# KiCad board hellen88m42bmw.kicad_pcb (continued)
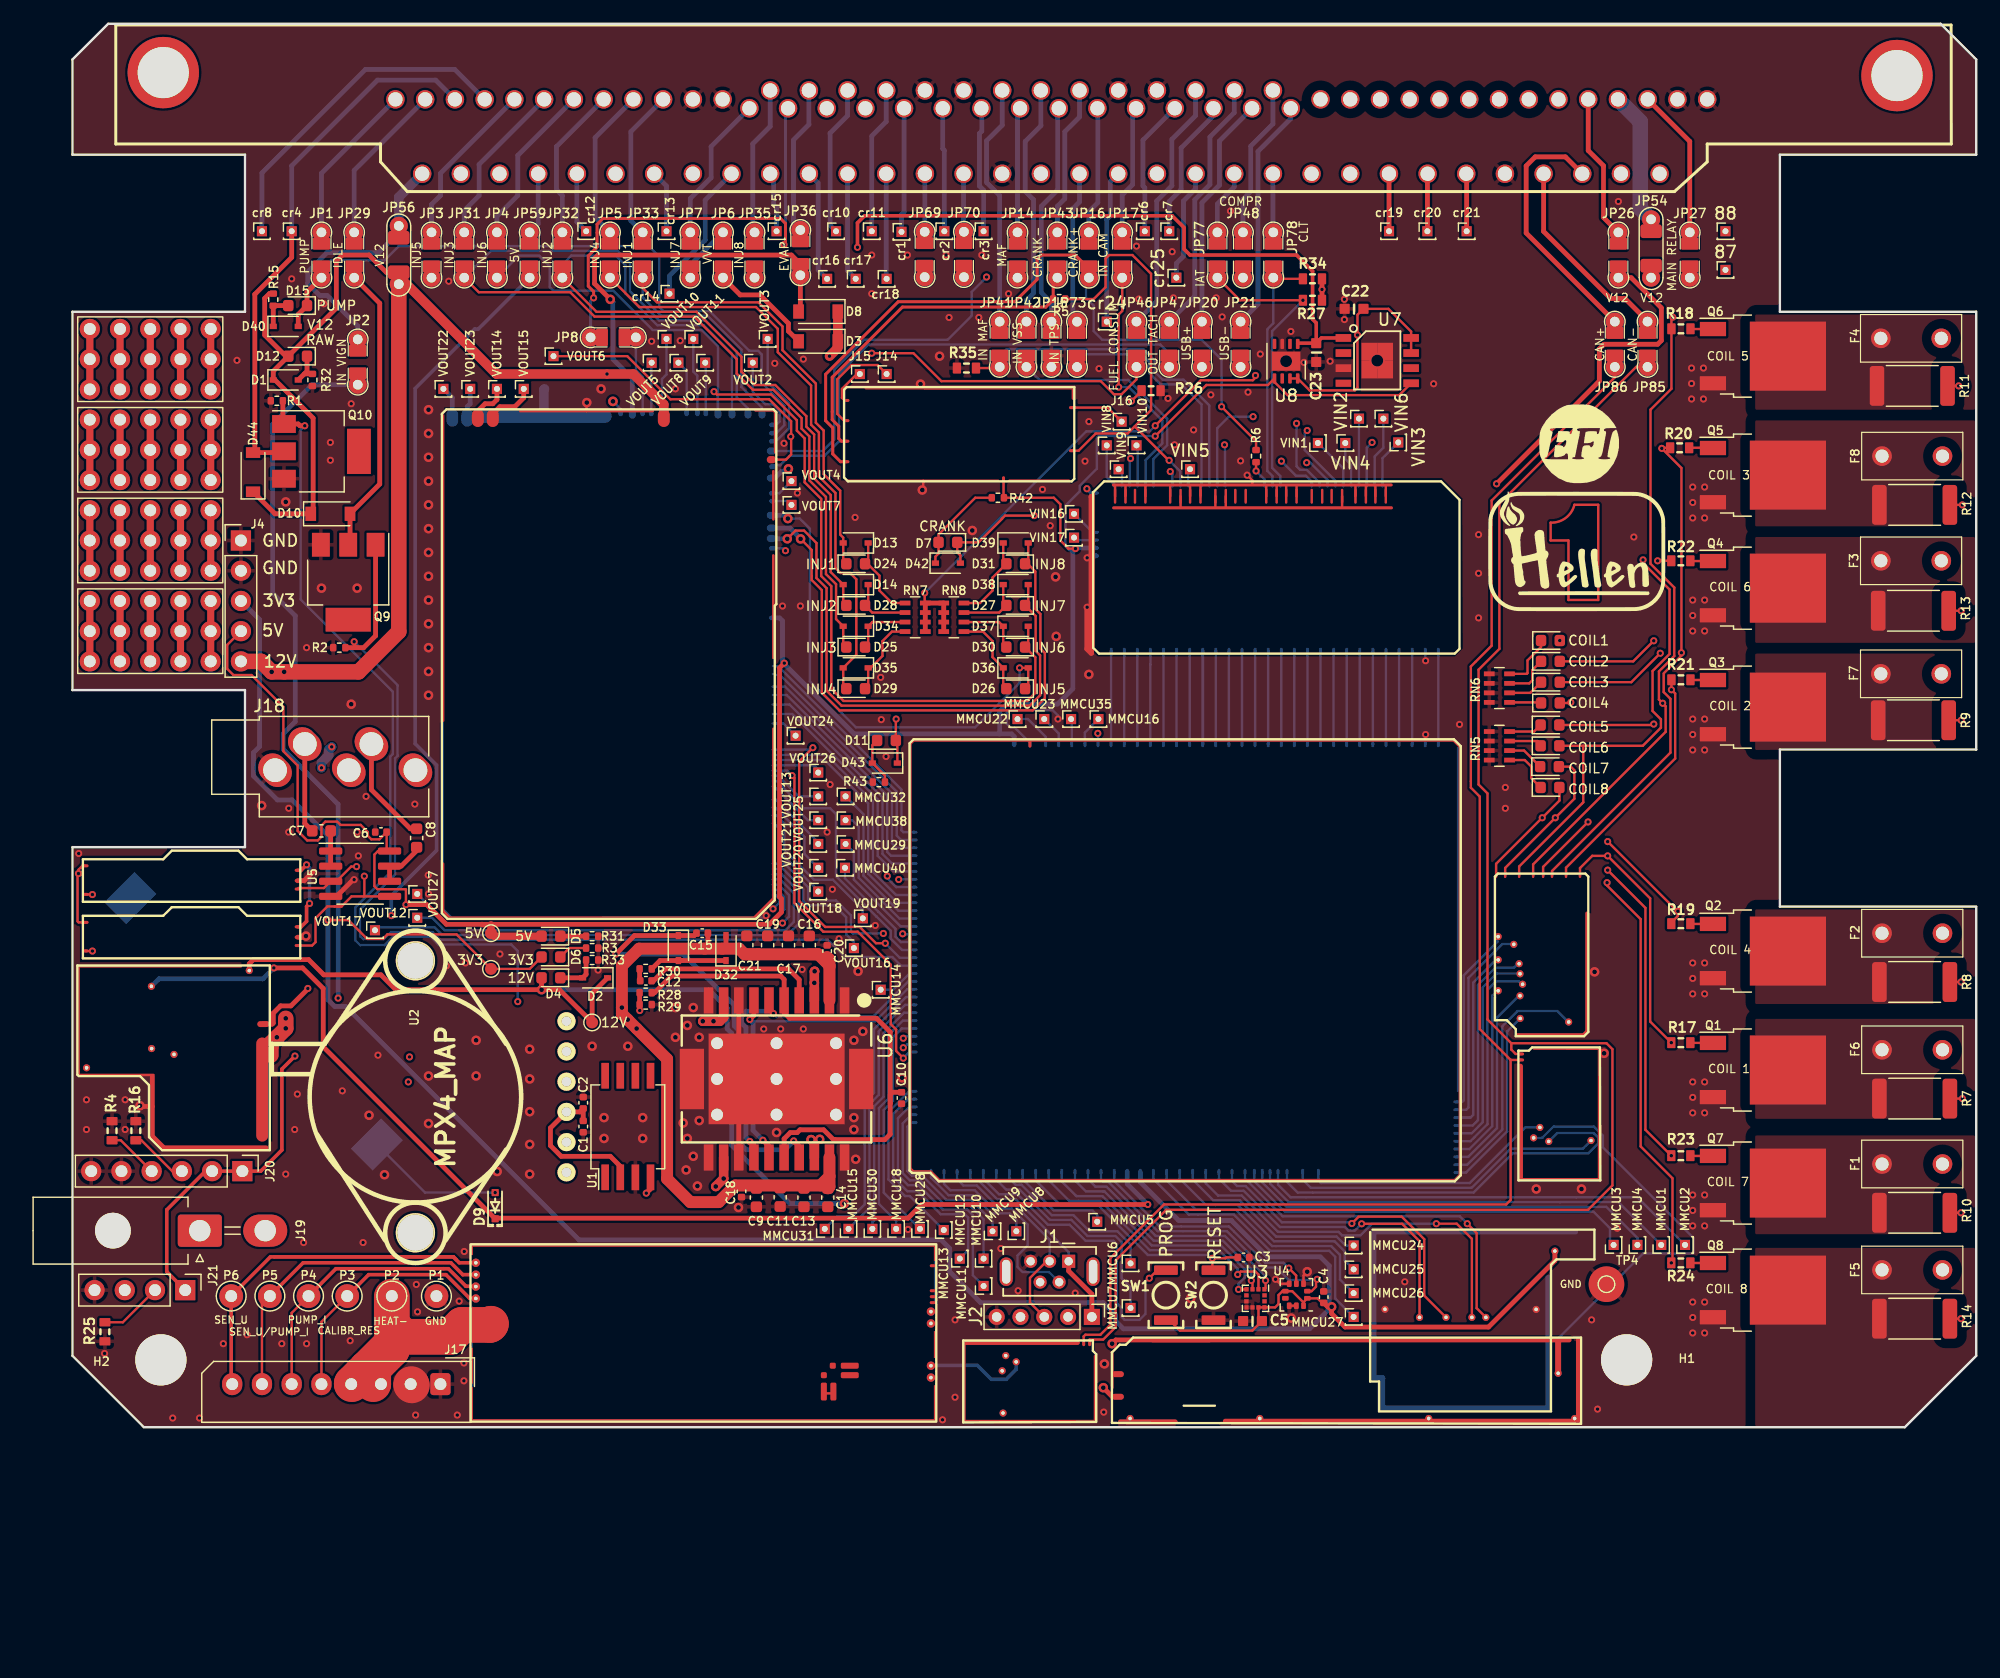
[diagram p0: board, top side]
## Routing (per net, layer and track width the routed paths; a pad name or vN(x,y) marks a point on that pad's centre or on a via; arc(x,y) is an arc through that point) (continued)
/LSU_SENSOR_U/PUMP_I: length 26.6
  Top w0.2: J17.7 15.93,10.36 P5.1
  Top w0.3: 33.93,12.67 33.78,12.82 32.8,12.82 31.8,13.82 19.39,13.82 P5.1
/MAF: length 7.9
  Bottom w0.2: 100.49,57.4 100.49,65.27
/MAIN_RELAY: length 21.4
  In2.Cu w0.2: v1(69.83,32.7) 69.64,32.7 67.13,35.22 67.13,40.84 66.57,41.4 65.62,41.4 64.24,42.77 60.12,42.77 59.33,43.57 v1(58.88,43.57)
  Bottom w0.2: M9.W40 59.1,44.72 59.43,44.39 59.43,44.12 v1(58.88,43.57) ; v1(69.83,32.7) 69.99,32.86 M11.E8
/MAP2: length 7.9
  Bottom w0.2: M7.N13 101.6,57.4
/NRESET: length 21.5
  Top w0.2: SW2.1 95.8,13.3 v1(95.8,14.2) 96.9,14.2 96.97,14.27 C3.1
  Bottom w0.2: v1(95.8,14.2) 95.52,14.48 90.38,14.48 86.23,18.62 83.07,18.62 80.95,20.75 M11.N24
/OUT_AC_COMPR: length 51.5
  In2.Cu w0.2: v1(76.83,96.67) 78.23,98.07 96.93,98.07 98.38,96.62 JP48.2
  Bottom w0.2: M9.W4 63.05,82.05 64.03,83.02 64.03,88.87 66.55,91.4 73.55,91.4 75.58,93.42 75.58,95.42 v1(76.83,96.67)
/OUT_CHECK_ENGINE: length 6.6
  Bottom w0.2: M9.S8 47.92,88.28 47.35,88.84 JP8.2
/OUT_ETB+: length 71.9
  Top w0.8: U6.3 v2(62.35,37.35) 62.35,38.3 v2(62.38,38.32) ; U6.18 62.35,23.9 v2(62.08,24.17)
  In2.Cu w0.8: v2(62.38,38.32) 62.38,24.62 v2(62.8,24.2) 62.11,24.2 v2(62.08,24.17)
  In2.Cu w1: 62.08,22.72 62.07,22.72 56.73,17.37 31.38,17.37 30.03,18.72 26.53,18.72 24.33,16.52 J19.2 ; 62.08,22.72 62.08,23.48 v2(62.8,24.2) ; 62.08,22.72 v2(62.08,24.17)
/OUT_ETB-: length 69.3
  Top w0.8: U6.9 54.73,34.44 54.41,34.12 v2(53.88,34.12) v2(52.98,34.12) ; v2(54.06,20.23) v2(54.73,20.9) U6.12
  In2.Cu w0.8: v2(54.06,20.23) 55.6,21.77 55.6,32.62 54.09,34.12 v2(52.98,34.12)
  In2.Cu w1: J19.1 11.13,16.52 13.18,18.57 24.68,18.57 26.03,19.92 30.52,19.92 31.87,18.57 52.4,18.57 v2(54.73,20.9)
/OUT_EVAP: length 35
  Top w0.4: 61.18,97.77 60.43,98.52 44.18,98.52 43.88,98.22 43.88,96.12 v2(45.2,94.8) ; JP36.2 61.18,93.87
  Bottom w0.4: M9.S7 47.05,88.15 45.43,89.77 45.43,94.57 v2(45.2,94.8)
/OUT_FUEL_CONSUM: length 49.9
  Top w0.2: v1(67.18,90.27) 70.68,90.27 73.03,87.92 86.43,87.92 87.53,86.82 88.17,86.82 89.43,88.07 JP46.2
  In2.Cu w0.2: v4(45.43,86.22) 62.43,86.22 66.48,90.27 v1(67.18,90.27)
  Bottom w0.2: v4(45.43,86.22) 46.07,85.58 M9.S6
/OUT_FUEL_PUMP_RELAY: length 57.6
  Top w0.4: D40.2 18.98,93.54 D15.1 19.71,95.41 JP1.2
  Bottom w0.2: M9.W2 59.15,83.55 59.83,84.22 59.83,85.89 57.93,87.79 57.93,90.17 57.63,90.47 56.89,90.47 53.54,93.82 49.64,93.82 49.31,94.16 49.31,98.39 48.43,99.27 27.43,99.27 26.23,98.08 21.73,98.08 20.93,97.27 JP1.2
/OUT_ICV: length 45.3
  Top w0.4: cr4.1 18.43,98.32 15.33,95.22 15.33,82.07 D44.2 17.68,81.92
  Bottom w0.4: PP1.2 30.53,113.22 25.63,113.22 18.43,106.02 cr4.1
/OUT_IDLE: length 24.2
  Top w0.4: 23.33,74.32 D10.2 25.83,79.27 25.83,94.47 JP29.2
/OUT_IGN1: length 68.4
  Top w0.2: M10.S8 126.7,47 127.73,48.02 v1(129.03,48.02) 132.6,44.45 132.6,34.1 v1(134.38,32.32) ; 157.9,27.62 v1(158.84,27.62)
  In1.Cu w0.2: v1(134.38,32.32) 136.48,32.32 140.38,28.42 158.04,28.42 v1(158.84,27.62) ; v1(129.03,48.02) 125.03,52.02 125.03,66.1 v1(125,66.12)
/OUT_IGN2: length 60.5
  Top w0.2: v1(132.9,66.1) 131.17,64.37 D19.2 ; 157.8,59.42 v1(158.74,59.42) ; M10.S7 125.53,47.03 134.7,56.2 134.7,61.67 v1(134.38,61.98) R21.2
  In1.Cu w0.2: v1(158.74,59.42) 158.24,58.92 139.43,58.92 136.36,61.98 134.41,61.98 132.85,63.55 132.85,66.05 v1(132.9,66.1)
/OUT_IGN3: length 82
  Top w0.2: 157.9,77.52 v1(158.84,77.52) ; M10.S6 124.35,46.75 134.3,56.7 134.3,61.22 133.74,61.79 133.74,63.3 ; R20.2 133.62,82.32 v1(133.57,82.27) 135.22,80.62 135.22,64.85 133.74,63.37 ; D22.2 131.01,62.62 v1(133.45,65.05)
  In1.Cu w0.2: v1(133.57,82.27) 135.43,82.27 140.58,77.12 158.43,77.12 158.83,77.52 v1(158.84,77.52) ; v1(133.45,65.05) 135.19,65.05 v1(135.22,65.09)
/OUT_IGN4: length 56.8
  Top w0.2: R19.2 134.38,42.42 134.93,42.97 v1(134.93,43.37) 134.88,43.37 v1(129.03,49.22) ; R8.2 v1(158.73,37.42) ; v1(127.38,50.87) 123.6,47.1 M10.S5 ; D18.2 125.88,60.87 v1(125.93,60.92)
  In1.Cu w0.2: v1(158.73,37.42) 140.88,37.42 v1(134.93,43.37) ; v1(129.03,49.22) v1(127.38,50.87) 125.93,52.32 v1(125.93,60.92)
/OUT_IGN5: length 91.6
  Top w0.2: M10.S4 122.76,47.31 133.9,58.45 133.9,60.6 v1(133.65,60.85) 133.34,61.16 133.34,63.53 134.62,64.82 134.62,70.58 132.63,72.57 132.63,85.53 134.39,87.29 R18.2 134.39,93.19 v1(134.5,93.3) ; v1(132.9,59.1) 132.82,59.02 D21.2 ; R11.1 v1(158.53,87.52)
  In1.Cu w0.2: v1(134.5,93.3) 140.68,87.12 158.13,87.12 v1(158.53,87.52) ; v1(133.65,60.85) 133.65,59.85 v1(132.9,59.1)
/OUT_IGN6: length 68.8
  Top w0.2: M10.S3 121.59,47.13 126.98,52.52 126.98,57.27 ; D17.2 126.98,57.27 ; 126.98,57.27 131.98,57.27 133.5,58.8 133.5,59.5 132.8,60.2 132.8,63.56 134.23,64.99 134.23,70.41 132,72.64 v1(132,72.9) ; 157.8,68.62 v1(158.74,68.62) ; R22.2 v1(133.23,72.82)
  In1.Cu w0.2: v1(158.74,68.62) 153.88,68.62 149.68,72.82 v1(133.23,72.82) 132.08,72.82 v1(132,72.9)
/OUT_IGN7: length 72.4
  Top w0.2: v1(134.38,22.82) 132.2,25 132.2,43.65 v1(129.03,46.82) ; R10.2 v1(158.73,18.02) ; D20.2 125.93,55.52 126.23,55.22 126.23,52.82 v1(124.63,51.22) 120.41,47.01 M10.S2
  In1.Cu w0.2: v1(134.38,22.82) 145.88,22.82 150.68,18.02 v1(158.73,18.02) ; v1(124.63,51.22) v1(129.03,46.82)
/OUT_IGN8: length 78.8
  Top w0.2: v1(134.38,13.81) 134.47,13.91 134.47,20.92 131.8,23.6 131.8,42.7 128.98,45.53 v1(128.98,45.77) ; D16.2 124.98,53.76 124.98,52.67 v1(123.53,51.22) 123.52,51.22 119.65,47.36 M10.S1 ; R14.1 v1(158.73,9.12)
  In1.Cu w0.2: v1(158.73,9.12) 158.03,9.82 139.28,9.82 135.29,13.81 v1(134.38,13.81) ; v1(123.53,51.22) v1(128.98,45.77)
/OUT_INJ1: length 54.1
  Top w0.2: JP33.2 47.93,95.75 49.13,94.55 57.65,94.55 59.68,92.52 59.68,90.52 62.48,87.72 62.48,84.43 63.13,83.77 63.13,80.11 64.53,78.72 64.53,75.02 64.78,74.77 D13.2 64.78,72.84 D24.1
  Bottom w0.2: M9.S18 57.95,85.7 56.22,87.43 56.22,90.57 53.37,93.42 49.48,93.42 48.03,94.87 ; 48.03,94.87 47.93,94.97 ; 48.03,94.87 47.93,94.97 ; 47.93,94.97 JP33.2
/OUT_INJ2: length 68.9
  Top w0.2: D28.1 64.78,69.34 D14.2 63.73,71.87 63.73,78.36 62.33,79.75 62.33,83.44 61.68,84.1 61.68,84.98 59.06,87.6 57.35,87.6 56.23,88.72 56.23,89.97 52.45,93.75 44.04,93.75 JP32.2
  Bottom w0.2: M9.S16 55.42,90.24 53.04,92.62 49.15,92.62 46.47,95.31 46.47,97.67 45.66,98.47 41.93,98.47 41.18,97.72 JP32.2
/OUT_INJ3: length 89.1
  Top w0.2: JP31.2 34.15,95.4 41.83,95.4 43.88,93.35 52.25,93.35 55.83,89.77 55.83,88.56 57.18,87.2 58.9,87.2 61.28,84.82 61.28,83.93 61.93,83.28 61.93,79.58 63.33,78.19 63.33,71.71 64.18,70.86 64.18,67.92 D34.2 64.78,65.84 D25.1
  Bottom w0.2: M9.S17 56.77,85.63 55.82,86.58 55.82,90.41 53.21,93.02 49.31,93.02 46.86,95.47 46.86,97.83 45.83,98.87 35.18,98.87 JP31.2
/OUT_INJ4: length 79.6
  Top w0.2: JP5.2 47.65,94.15 57.45,94.15 59.28,92.32 59.28,90.36 62.08,87.55 62.08,84.26 62.73,83.61 62.73,79.92 64.13,78.52 64.13,72.22 64.55,71.8 65.35,71.8 65.88,71.27 65.88,64.92 D35.2 64.78,62.34 D29.1
  In1.Cu w0.4: v2(60.17,80.55) 61.08,81.46 61.08,84.12 59.18,86.02 55.93,86.02 54.13,87.82 54.13,92.72 53.18,93.67 47.93,93.67 45.18,96.42 JP5.2
  Bottom w0.4: v2(60.17,80.55) 59.96,80.35 59.6,80.35 59.03,79.77 M9.W7
/OUT_INJ5: length 92.7
  Top w0.2: v1(79.6,63.82) D36.2 80.33,62.34 D26.1
  In1.Cu w0.4: JP3.2 31.34,95.46 41.66,95.46 42.34,96.14 42.34,96.74 43.38,97.78 45.92,97.78 46.76,96.93 46.76,95.68 48.18,94.27 53.42,94.27 54.73,92.97 54.73,88.12 56.23,86.62 59.42,86.62 61.68,84.37 61.68,77.12 60.92,76.37 v2(60.13,76.37)
  Bottom w0.2: v2(60.13,76.37) 61.13,76.37 61.98,75.52 61.98,62.7 65.85,58.82 75.86,58.82 79.6,62.56 v1(79.6,63.82)
  Bottom w0.4: v2(60.13,76.37) 59.85,76.65 M9.W10
/OUT_INJ6: length 86.9
  Top w0.2: D37.2 80.33,65.84 D30.1 80.93,64.71 80.93,61.72 80.25,61.05 64.8,61.05 63.78,62.07 63.78,70.69 62.93,71.54 62.93,78.03 61.54,79.42 61.54,83.11 60.88,83.77 60.88,84.64 58.72,86.8 54.16,86.8 v1(53.92,87.04)
  Bottom w0.2: v1(53.92,87.04) 54.25,86.71 M9.S15 54.25,90.85 52.88,92.22 48.76,92.22 45.46,95.52 40.43,95.52 40.11,95.83 40.11,97.58 39.23,98.47 37.53,98.47 JP4.2
/OUT_INJ7: length 79.6
  Top w0.2: D38.2 80.33,69.34 D27.1 80.95,68.19 80.95,65.25 81.33,64.88 81.33,61.52 80.45,60.65 64.64,60.65 63.38,61.91 63.38,70.53 62.53,71.38 62.53,74.32 61.49,75.36 60.77,75.36 v2(60.08,74.67)
  In1.Cu w0.4: v2(60.08,74.67) 62.28,76.87 62.28,84.62 59.67,87.22 56.48,87.22 55.33,88.37 55.33,93.22 JP7.2
  Bottom w0.4: JP6.1 54.68,100.42 51.93,97.67 JP7.2 ; 59.13,74.7 59.13,74.67 v2(60.08,74.67)
/OUT_INJ8: length 78.1
  Top w0.2: D39.2 80.33,72.84 D31.1 80.28,72.57 80.93,71.92 80.93,68.78 81.35,68.35 81.35,65.45 81.72,65.07 81.72,61.27 80.7,60.25 64.47,60.25 62.98,61.74 62.98,70.36 62.13,71.21 62.13,73.73 v2(61.2,74.66)
  In1.Cu w0.4: JP35.2 57.33,95.42 55.93,94.02 55.93,88.77 56.88,87.82 59.92,87.82 62.88,84.87 62.88,76.34 v2(61.2,74.66)
  Bottom w0.4: M9.W11 60.31,75.57 60.88,75 60.88,74.98 v2(61.2,74.66)
/OUT_MAIN_RELAY: length 151.3
  Top w0.2: D43.1 69.33,57.6 D11.2 69.2,59.5 v1(69.23,59.52)
  In2.Cu w0.2: v1(69.23,59.52) 69.23,60.32 69.25,60.35
  In2.Cu w0.4: JP27.2 133.98,94.67 109.78,94.67 100.48,85.37 100.48,81.12 101.23,80.37 115.83,80.37 117.33,78.87 117.33,65.22 112.45,60.35 64.95,60.35 60.43,64.87 60.43,73.17 v1(59.93,73.67)
  Bottom w0.2: M9.W13 59.73,73.87 v1(59.93,73.67)
/OUT_TACH: length 42.3
  Bottom w0.2: M9.W6 58.95,80.85 59.48,80.85 60.28,81.65 63.22,81.65 64.43,82.86 64.43,88.52 66.9,91 91.43,91 92.18,90.25 JP47.2
/PPS1: length 7.9
  Bottom w0.2: 110.39,57.4 110.39,65.27
/PPS2: length 7.9
  Bottom w0.2: 105.99,57.4 105.99,65.27
/PUMP: length 32.2
  Top w0.2: v1(60.48,54.77) 60.68,54.57 60.68,44.07 63.1,41.65 66,41.65 68.78,38.87 68.78,33.88 69.23,33.43 69.23,31.62 v1(69.83,31.02)
  Bottom w0.2: M9.W26 60.06,55.19 v1(60.48,54.77) ; M11.E6 70.34,31.54 v1(69.83,31.02)
/RES1: length 7.9
  Bottom w0.2: M7.N6 109.3,57.4
/RES2: length 7.9
  Bottom w0.2: M7.N3 112.6,57.4
/SD_CLK: length 26.8
  Top w0.2: v1(107.53,17.12) 108.1,17.7 111.72,17.7 113.61,15.8 113.61,11.06 M13.V6
  Bottom w0.2: M11.N9 97.45,20.7 97.88,20.27 98.6,20.27 101.65,17.22 107.43,17.22 v1(107.53,17.12)
/SD_CS: length 29.3
  Top w0.2: v1(117.23,17.11) 118.01,16.32 118.01,10.01 M13.V4
  Bottom w0.2: M11.N8 98.55,20.89 101.72,17.72 116.61,17.72 v1(117.23,17.11)
/SD_MISO: length 26.5
  Top w0.2: M13.V7 113.21,15.64 111.75,17.1 v1(108.35,17.1)
  Bottom w0.2: v1(108.35,17.1) 107.77,16.52 107.24,16.52 106.94,16.82 101.49,16.82 98.44,19.87 97.38,19.87 96.35,20.9 M11.N10
/SD_MOSI: length 32.7
  Top w0.2: M13.V5 117.61,15.84 116.34,17.11 v1(114.63,17.11)
  Bottom w0.2: v1(114.63,17.11) 109.23,17.11 108.24,16.12 106.71,16.12 106.41,16.42 101.32,16.42 98.27,19.47 96.28,19.47 95.25,20.5 M11.N11
/SENS1: length 7.9
  Bottom w0.2: M7.N26 87.3,64.91 87.29,64.91 87.29,57.4
/SENS2: length 7.9
  Bottom w0.2: M7.N25 88.4,64.81 88.39,64.81 88.39,57.4
/SENS4: length 7.9
  Bottom w0.2: 90.59,57.4 90.59,64.1 90.6,64.1 M7.N23
/SPI_CS: length 23.3
  Top w0.2: 99.68,11.59 99.68,12.83 99.43,13.08 98.18,13.08 v1(97.93,12.84)
  Bottom w0.2: M11.N23 82.05,20.75 83.77,19.02 86.4,19.02 90.54,14.88 96.36,14.88 97.93,13.31 v1(97.93,12.84)
/SPI_MISO: length 20.4
  Top w0.2: v1(99.08,12.33) 99.18,12.23 99.18,11.59
  Bottom w0.2: v1(99.08,12.33) 99.08,13.29 96.69,15.68 90.88,15.68 86.73,19.82 86.63,19.82 85.18,19.82 84.25,20.75 M11.N21
/SPI_MOSI: length 21.9
  Top w0.2: v1(98,11.58) 98.67,11.58 98.68,11.59
  Bottom w0.2: M11.N22 83.15,20.64 84.37,19.42 86.57,19.42 90.71,15.28 96.53,15.28 98.53,13.27 98.53,12.59 98,12.06 v1(98,11.58)
/SPI_SCK: length 20
  Top w0.2: v1(100.28,12.33) 100.28,11.69 100.18,11.59
  Bottom w0.2: M11.N20 85.35,20.85 85.98,20.22 86.9,20.22 91.04,16.08 96.86,16.08 100.28,12.66 v1(100.28,12.33)
/TACH: length 21.1
  Bottom w0.2: M11.E19 69.72,40.12 68.78,41.06 68.78,41.72 67.58,42.92 67.57,42.92 64.18,46.32 64.18,51.52 63.68,52.02 61.47,52.02 59.18,54.31 M9.W28
/TPS: length 7.9
  Bottom w0.2: 97.19,57.4 97.19,65.27
/TPS2: length 7.9
  Bottom w0.2: 104.89,57.4 104.89,65.27
/TPS3: length 7.9
  Bottom w0.2: M7.N8 107.1,57.4
/USBM: length 150.3
  In1.Cu w0.4: JP21.2 98.18,88.62 100,86.8 115.72,86.8 122.52,79.99 122.52,62.03 119.13,58.64 119.13,20.68 117.17,18.72 92.93,18.72 89.37,15.17 85.18,15.17 84.68,14.67 84.68,13.22 83.65,12.2 J1.2 82.93,10.02 J2.2
  Bottom w0.2: J1.2 82.08,13.05 79.85,13.05 79.43,13.47 79.43,14.42 80.28,15.27 80.28,17.03 78.93,18.37 77.38,18.37 75.83,19.92 73.78,19.92 73.25,20.45 M11.N31
/USBP: length 149
  Top w0.2: J2.3 80.48,10.47 80.48,12.55 81.87,13.95 J1.3
  In1.Cu w0.4: J1.3 82.13,14.42 83.48,15.77 89.13,15.77 92.68,19.32 116.92,19.32 118.53,20.93 118.53,58.88 121.92,62.28 121.92,79.74 115.47,86.2 97.85,86.2 JP20.2
  Bottom w0.2: J1.3 82.13,15.75 79.1,18.77 77.54,18.77 76,20.32 74.88,20.32 74.35,20.85 M11.N30
/VIGN: length 102.8
  In1.Cu w0.4: M1.V5 1.62,29.77 28.88,29.77 40.18,41.07 61.57,41.07 69.93,49.42 69.93,57.77 70.43,58.27 86.13,58.27 v1(86.18,58.32)
  Bottom w0.2: 86.19,57.4 86.19,58.31 v1(86.18,58.32)
/VREF1: length 2.2
  Top w0.2: R6.2 v1(99.48,80.37)
  Bottom w0.2: M7.S14 100.2,79.65 v1(99.48,80.37)
/VREF2: length 159.1
  Top w0.2: M8.W2 0.84,47.19 0.51,46.85 v1(0.51,46.54) ; M12.W2 0.51,42.44 0.43,42.52 0.43,46.46
  In2.Cu w0.2: v1(0.51,46.54) 0.51,40.2 1.44,39.27 8.58,39.27 18.78,49.47 18.78,55.77 17.73,56.82 17.73,58.62 19.38,60.27 20.93,60.27 27.38,66.72 27.38,88.78 31.42,92.82 71.13,92.82 72.63,91.32 89.43,91.32 90.83,89.92 90.83,88.62 96.83,82.62 v1(96.83,82.57)
  Bottom w0.2: v1(96.83,82.57) 96.87,82.53 M7.S13
Net-(BT1-+): length 11.6
  Bottom w0.2: BT1.1 29.63,19.72 v1(35.53,19.72)
Net-(C7-Pad2): length 7.6
  Top w0.4: J18.T 19.53,50.75 C7.2
Net-(C8-Pad2): length 9
  Top w0.4: C8.2 28.4,50.3 25.13,53.57 25.13,57.32 25.03,57.42
Net-(C12-Pad1): length 1
  Top w0.4: R30.1 47.67,37.57 C12.1
Net-(cr1-Pin_1): length 10.5
  Bottom w0.4: cr1.1 69.68,101.92 69.89,102.14 PP1.11
Net-(cr2-Pin_1): length 10.5
  Bottom w0.4: PP1.12 73.14,107.46 73.28,107.32 cr2.1 73.43,100.52
Net-(cr3-Pin_1): length 10.6
  Bottom w0.4: cr3.1 76.58,103.97 76.23,104.32 76.23,108.74 76.43,108.94 76.43,110.82 PP1.13
Net-(cr6-Pin_1): length 11.6
  Bottom w0.4: PP1.18 89.97,108.18 89.97,104.33 90.13,104.17 90.13,100.72 89.93,100.52
Net-(cr7-Pin_1): length 11.3
  Bottom w0.4: cr7.1 92.18,103.02 93.18,104.02 93.18,107.52 95.89,110.24
Net-(cr8-Pin_1): length 28.3
  Bottom w0.4: cr8.1 15.93,105.42 24.63,114.12 32.13,114.12 PP1.30
Net-(cr10-Pin_1): length 12.6
  Bottom w0.4: cr10.1 63.68,101.02 63.68,108.77 65.14,110.24 PP1.37
Net-(cr11-Pin_1): length 12.3
  Bottom w0.4: PP1.38 68.39,109.74 67.18,108.52 cr11.1
Net-(cr12-Pin_1): length 5.2
  Bottom w0.4: PP1.60 42.39,101.31 cr12.1
Net-(cr13-Pin_1): length 5.3
  Bottom w0.4: cr13.1 49.93,104.32 PP1.62
Net-(cr14-Pin_1): length 12.2
  Bottom w0.4: cr14.1 50.18,96.77 53.18,99.77 53.18,103.14 PP1.64
Net-(cr15-Pin_1): length 5.1
  Bottom w0.4: cr15.1 59.18,102.52 58.93,102.77 58.93,105.07 PP1.65
Net-(cr16-Pin_1): length 9.5
  Bottom w0.4: cr16.1 62.68,97.27 62.68,104.57 PP1.66
Net-(cr17-Pin_1): length 9.1
  Bottom w0.4: cr17.1 65.14,97.21 PP1.67
Net-(cr18-Pin_1): length 8.5
  Bottom w0.4: PP1.68 68.39,96.81
Net-(cr19-Pin_1): length 4.8
  Top w0.4: cr19.1 110.65,105.35 PP1.81
Net-(cr20-Pin_1): length 4.8
  Top w0.4: PP1.82 113.88,105.34 cr20.1
Net-(cr21-Pin_1): length 4.8
  Top w0.4: cr21.1 117.18,105.32 PP1.83
Net-(cr22-Pin_1): length 14.2
  In2.Cu w0.4: cr22.1 138.68,97.27 137.68,98.27 137.68,101.77 135.68,103.77 131.73,103.77 PP1.87
Net-(cr23-Pin_1): length 8.6
  In2.Cu w0.4: cr23.1 138.93,102.27 135.84,105.36 PP1.88
Net-(cr24-Pin_1): length 12.9
  Bottom w0.4: PP1.74 87.23,104.69 87.23,101.82 86.93,101.52 86.93,92.97 86.98,92.92
Net-(cr25-Pin_1): length 9.4
  Bottom w0.4: PP1.76 94.39,104.09 93.38,103.07 93.38,98.42 92.78,97.82 cr25.1
Net-(D1-A): length 3
  Top w0.4: 19.49,88.53 19.71,88.76 D12.1 ; 19.49,88.53 D1.2 ; 19.49,88.53 R32.1
Net-(D2-A): length 3.5
  Top w0.4: R33.1 43.17,38.06 D2.2 41,37.77
Net-(D3-A): length 8.9
  Top w0.4: JP6.2 56.12,95.17 57.78,95.17 60.18,92.77 60.18,92.12 D3.2
Net-(D5-K): length 2.2
  Top w0.4: 41,41.27 R31.1
Net-(D6-K): length 2.5
  Top w0.2: 41,39.52 41.75,40.27 R3.1
Net-(D11-K): length 4.1
  Top w0.2: D11.1 67.23,57.32 D43.2 68.29,54.76 R43.1
Net-(D13-K): length 7.3
  Top w0.2: D13.1 66.88,72.84 D24.2 66.83,72.57 67.83,71.57 67.83,70.32 68.88,69.27 RN7.5
Net-(D14-K): length 5.5
  Top w0.2: D14.1 66.88,69.34 D28.2 67.21,68.47 RN7.6
Net-(D15-A): length 3
  Top w0.4: D15.2 16.94,94.27 16.88,94.21 D40.1
Net-(D16-K): length 4.1
  Top w0.2: RN5.5 122.06,56.07 122.61,55.52 122.61,54.55 D16.1
Net-(D17-K): length 2.8
  Top w0.2: 123.46,57.34 123.12,57.67 RN5.7
Net-(D18-K): length 2.7
  Top w0.2: RN6.5 123.38,60.92 D18.1
Net-(D19-K): length 3.9
  Top w0.2: RN6.7 122.44,62.52 122.69,62.77 122.69,63.64 D19.1
Net-(D20-K): length 3.1
  Top w0.2: RN5.6 122,56.87 D20.1
Net-(D21-K): length 2.8
  Top w0.2: RN5.8 122.84,58.47 D21.1
Net-(D22-K): length 3
  Top w0.2: D22.1 122.53,61.72 RN6.6
Net-(D23-K): length 4.7
  Top w0.2: D23.1 123.43,65.59 122.29,64.45 122.29,63.39 122.23,63.32 RN6.8
Net-(D25-A): length 5.1
  Top w0.2: RN7.7 67.23,67.67 D34.1 66.88,65.84 D25.2
Net-(D26-A): length 7.2
  Top w0.2: RN8.5 76.53,66.87 77.33,66.07 77.33,64.72 D36.1 78.23,62.34 D26.2
Net-(D27-A): length 5.7
  Top w0.2: D38.1 78.23,69.34 D27.2 77.89,68.47 RN8.7
Net-(D29-A): length 7
  Top w0.2: RN7.8 68.88,66.87 68.08,66.07 68.08,64.82 67.08,63.82 D35.1 66.88,62.34 D29.2
Net-(D30-A): length 5.3
  Top w0.2: RN8.6 77.88,67.67 D37.1 78.23,65.84 D30.2
Net-(D31-A): length 7.4
  Top w0.2: D39.1 78.23,72.84 D31.2 77.33,71.41 77.33,70.32 76.28,69.27 RN8.8
Net-(D32-K): length 7
  Top w0.4: R30.2 49.39,39.22 D33.2 51.23,39.22 ; 51.23,39.22 D32.1 ; 51.23,39.22 50.73,39.22
Net-(D33-K): length 37.7
  Top w0.4: C15.2 52.25,41.32 D33.1 47.23,41.32 v1(45.68,39.77) ; U6.17 61.08,23.6 v1(60.62,24.06)
  Bottom w0.4: v1(45.68,39.77) 51.33,39.77 55.63,35.47 55.63,33.73 56,33.36 56,23.96 56.64,23.32 59.88,23.32 v1(60.62,24.06)
Net-(D42-K): length 8.3
  Top w0.2: D42.1 72.53,73.17 72.79,73.44 D7.2 72.79,75.04 75.88,78.12 R42.2
Net-(G3-Pad1): length 5.1
  Top w0.6: G3.1 G3.11
Net-(G3-Pad10): length 5.1
  Top w0.6: G3.5 G3.15
Net-(G3-Pad12): length 5.1
  Top w0.6: G3.12 G3.2
Net-(G3-Pad13): length 5.1
  Top w0.6: G3.3 G3.13
Net-(G3-Pad14): length 5.1
  Top w0.6: G3.14 G3.4
Net-(G4-Pad1): length 5.1
  Top w0.6: G4.1 G4.11
Net-(G4-Pad10): length 5.1
  Top w0.6: G4.5 G4.15
Net-(G4-Pad12): length 5.1
  Top w0.6: G4.12 G4.2
Net-(G4-Pad13): length 5.1
  Top w0.6: G4.3 G4.13
Net-(G4-Pad14): length 5.1
  Top w0.6: G4.14 G4.4
Net-(G6-Pad1): length 5.1
  Top w0.6: G6.1 G6.11
Net-(G6-Pad10): length 5.1
  Top w0.6: G6.5 G6.15
Net-(G6-Pad12): length 5.1
  Top w0.6: G6.12 G6.2
Net-(G6-Pad13): length 5.1
  Top w0.6: G6.3 G6.13
Net-(G6-Pad14): length 5.1
  Top w0.6: G6.14 G6.4
Net-(G7-Pad1): length 5.1
  Top w0.6: G7.1 G7.11
Net-(G7-Pad10): length 5.1
  Top w0.6: G7.5 G7.15
Net-(G7-Pad12): length 5.1
  Top w0.6: G7.12 G7.2
Net-(G7-Pad13): length 5.1
  Top w0.6: G7.3 G7.13
Net-(G7-Pad14): length 5.1
  Top w0.6: G7.14 G7.4
Net-(J14-Pin_1): length 8.9
  Top w0.2: J14.1 67.68,89.27 65.48,89.27 64.28,88.07 64.28,85.17 64.85,84.6 M6.E3
Net-(J15-Pin_1): length 3.2
  Top w0.2: M6.E4 64.9,86.3 64.68,86.52 64.68,87.27 65.93,88.52 J15.1
Net-(J16-Pin_1): length 4.7
  Top w0.2: M6.W1 87,85.7 J16.1
Net-(JP1-Pad1): length 13.8
  Bottom w0.4: PP1.1 20.93,105.39 JP1.1
Net-(JP2-Pad1): length 22.6
  Bottom w0.4: 27.43,100.43 25.72,98.72 21.39,98.72 19.76,97.1 19.76,96.14 20.78,95.12 21.42,95.12 23.98,92.56 JP2.1
  Bottom w0.8: PP1.56 27.43,103.39 27.43,100.43
Net-(JP3-Pad1): length 14.1
  Bottom w0.4: JP3.1 30.18,102.77 30.94,103.53 30.94,105.4 PP1.3
Net-(JP4-Pad1): length 13.9
  Bottom w0.4: JP4.1 35.68,101.77 37.43,103.52 37.43,106.89 PP1.4
Net-(JP5-Pad1): length 13
  Bottom w0.4: PP1.5 43.93,108.39 43.93,101.68 JP5.1
Net-(JP7-Pad1): length 12.5
  Bottom w0.4: JP7.1 51.93,103.27 53.68,105.02 53.68,107.64 PP1.7
Net-(JP8-Pad1): length 39.7
  Top w0.25: v1(59.8,99.4) 59.93,99.53 59.93,101.17 59.5,101.6 44.58,101.6 44.09,101.11 44.09,99.19 43.35,98.45 43.35,95.91 43.8,95.46 v1(43.8,94.92)
  Bottom w0.25: JP8.1 43.54,94.67 v1(43.8,94.92) ; v1(59.8,99.4) 59.93,99.53 59.93,110.64 PP1.8
Net-(JP14-Pad1): length 10.6
  Bottom w0.4: PP1.14 79.43,110.64 79.43,100.68 79.68,100.43
Net-(JP15-Pad1): length 18.9
  Bottom w0.4: JP15.1 82.28,94.52 81.43,95.37 81.43,102.62 82.8,104 82.8,110.76 PP1.15
Net-(JP16-Pad1): length 10.8
  Bottom w0.4: JP16.1 85.43,102.17 86.18,102.92 86.18,110.82 PP1.16
Net-(JP17-Pad1): length 11
  Bottom w0.4: PP1.17 89.1,110.56 89.1,104.45 88.23,103.57 88.23,100.73 87.93,100.43
Net-(JP20-Pad1): length 19.7
  Bottom w0.4: JP20.1 94.93,102.92 96.4,104.4 96.4,108.11 PP1.20
Net-(JP21-Pad1): length 19.7
  Bottom w0.4: PP1.21 102.39,109.99 99.64,107.23 99.64,94.39 JP21.1
Net-(JP26-Pad1): length 12.2
  Top w0.4: PP1.26 127.39,107.31 128.68,106.02 128.68,101.68 JP26.1
Net-(JP27-Pad1): length 12.6
  Top w0.4: PP1.27 135.93,108.07 JP27.1
Net-(JP29-Pad1): length 13.6
  Bottom w0.4: PP1.29 23.68,105.64 JP29.1
Net-(JP31-Pad1): length 14
  Bottom w0.4: JP31.1 32.93,102.27 34.18,103.52 34.18,106.14 PP1.31
Net-(JP32-Pad1): length 13
  Bottom w0.4: JP32.1 41.18,103.52 40.68,104.02 40.68,107.64 PP1.32
Net-(JP33-Pad1): length 12.7
  Bottom w0.4: JP33.1 46.93,101.43 46.93,108.89 PP1.33
Net-(JP35-Pad1): length 12.6
  Bottom w0.4: PP1.35 58.64,109.34 57.18,107.87 57.18,100.58 JP35.1
Net-(JP36-Pad1): length 12.5
  Bottom w0.4: JP36.1 60.6,101.21 60.6,108.2 61.89,109.49 PP1.36
Net-(JP41-Pad1): length 20.4
  Bottom w0.4: JP41.1 77.93,103.52 76.83,104.62 76.83,108.12 78.14,109.44 PP1.41
Net-(JP42-Pad1): length 20.5
  Bottom w0.4: JP42.1 80.18,94.72 80.78,95.32 80.78,103.17 80.08,103.87 80.08,108.07 81.39,109.39 PP1.42
Net-(JP43-Pad1): length 12.7
  Bottom w0.4: JP43.1 82.78,102.62 83.4,103.25 83.4,108.89 84.64,110.13 PP1.43
Net-(JP46-Pad1): length 21.5
  Bottom w0.4: JP46.1 91.13,94.63 91.13,103.07 92.4,104.35 92.4,108.25 94.39,110.24 PP1.46
Net-(JP47-Pad1): length 21.7
  Bottom w0.4: JP47.1 92.18,92.93 94.33,95.07 94.33,103.17 95.6,104.45 95.6,108.45 97.64,110.49 PP1.47
Net-(JP48-Pad1): length 13
  Bottom w0.4: PP1.48 100.89,109.54 99.03,107.67 99.03,103.87 98.38,103.22 JP48.1
Net-(JP54-Pad1): length 11.2
  Bottom w1.3: PP1.54 131.77,109.73 131.77,102.43 JP54.1
Net-(JP59-Pad1): length 5.2
  Bottom w0.4: JP59.1 39.14,101.14 PP1.59
Net-(JP69-Pad1): length 4.9
  Bottom w0.4: PP1.69 71.64,100.49 JP69.1
Net-(JP70-Pad1): length 4.9
  Bottom w0.2: 74.93,105.32 PP1.70
  Bottom w0.4: PP1.70 74.89,100.51 JP70.1
Net-(JP73-Pad1): length 12.7
  Bottom w0.4: 83.93,92.93 84.08,93.08 84.08,102.42 84.64,102.99 PP1.73
Net-(JP77-Pad1): length 5.5
  Bottom w0.4: JP77.1 96.23,102.82 97.64,104.24 PP1.77
Net-(JP78-Pad1): length 4.9
  Bottom w0.4: JP78.1 100.89,100.46 PP1.78
Net-(JP85-Pad1): length 16.7
  Top w0.4: PP1.85 123.64,100.51 129.28,94.87 130.48,94.87 132.38,92.97 JP85.1
Net-(JP86-Pad1): length 21.8
  Top w0.4: PP1.86 125.48,106.77 122.94,106.77 122.18,106.01 122.18,100.37 129.62,92.93 JP86.1
Net-(M3-CAN_RX): length 12.6
  In2.Cu w0.4: 72.18,8.75 73.13,7.8 73.13,1.97 73.91,1.19 M4.V6
Net-(M3-CAN_TX): length 9.5
  In2.Cu w0.4: 72.18,9.75 72.35,9.75 73.73,8.37 73.73,5.87 74.86,4.74 M4.V5
Net-(M3-CAN_VIO): length 8.6
  Bottom w0.3: 72.18,5.2 76.05,5.2 77.23,4.02 78.48,4.02 79.31,4.86 M4.V2
Net-(M3-PULL_DOWN1): length 0.8
  Top w0.2: 63.18,2.85 63.98,2.85
Net-(M7B-WBO_O2S2): length 1.9
  Bottom w0.2: M7.E3 84.39,74.56 VIN17.1
Net-(M7B-WBO_O2S): length 2.5
  Bottom w0.2: M7.E4 85.73,75.22 VIN16.1
Net-(M7C-IN_AUX4): length 4.4
  Bottom w0.2: M7.S21 106.8,80.6 VIN1.1
Net-(M7C-IN_MAP3): length 151.5
  Top w0.4: v1(48.23,19.67) 48.58,20.03 U1.4
  In1.Cu w0.4: v1(48.23,19.67) 48.78,19.12 54.13,19.12 55.53,20.52 116.43,20.52 117.33,21.42 117.33,59.38 120.72,62.78 120.72,79.25 118.9,81.07 v1(103.73,81.07)
  Bottom w0.2: v1(103.73,81.07) 104.03,81.07 105.48,79.62 M7.S19
Net-(M7C-IN_O2S2): length 5.8
  Bottom w0.2: M7.S25 109.44,81.59 110.18,82.32 VIN6.1
Net-(M7C-IN_O2S): length 1.4
  Bottom w0.2: VIN5.1 93.77,80.36 M7.S9
Net-(M7C-IN_RES1): length 5.6
  Bottom w0.2: M7.S23 108.12,84.58 107.93,84.77
Net-(M7C-IN_RES2): length 4.1
  Bottom w0.2: M7.S26 110.1,81.45 VIN3.1
Net-(M7C-IN_RES3): length 3.7
  Bottom w0.2: VIN4.1 106.98,81.37 107.46,80.89 M7.S22
Net-(M7C-IN_SENS1): length 3.5
  Bottom w0.2: M7.S1 86.93,79.86 VIN8.1
Net-(M7C-IN_SENS2): length 1.4
  Bottom w0.2: VIN9.1 88.21,80.24 M7.S2
Net-(M7C-IN_SENS4): length 3.3
  Bottom w0.2: M7.S4 89.53,82.42 VIN10.1
Net-(M9B-LOW1): length 2.8
  Bottom w0.2: 59.55,59.15 M9.W21 59.75,59.15 VOUT24.1
Net-(M9B-LOW2): length 4.9
  Bottom w0.2: M9.W29 61.8,51.02 VOUT25.1
Net-(M9B-LOW6_DIODE): length 4.1
  Bottom w0.2: VOUT26.1 62.68,55.27 62.32,55.63 M9.W25
Net-(M9B-LOW7_HIGH1): length 34.6
  Bottom w0.2: M9.W39 59.22,45.16 59.83,44.56 59.83,43.52 58.58,42.27 31.53,42.27 VOUT27.1
